# KiCad board Retro.kicad_pcb (continued)
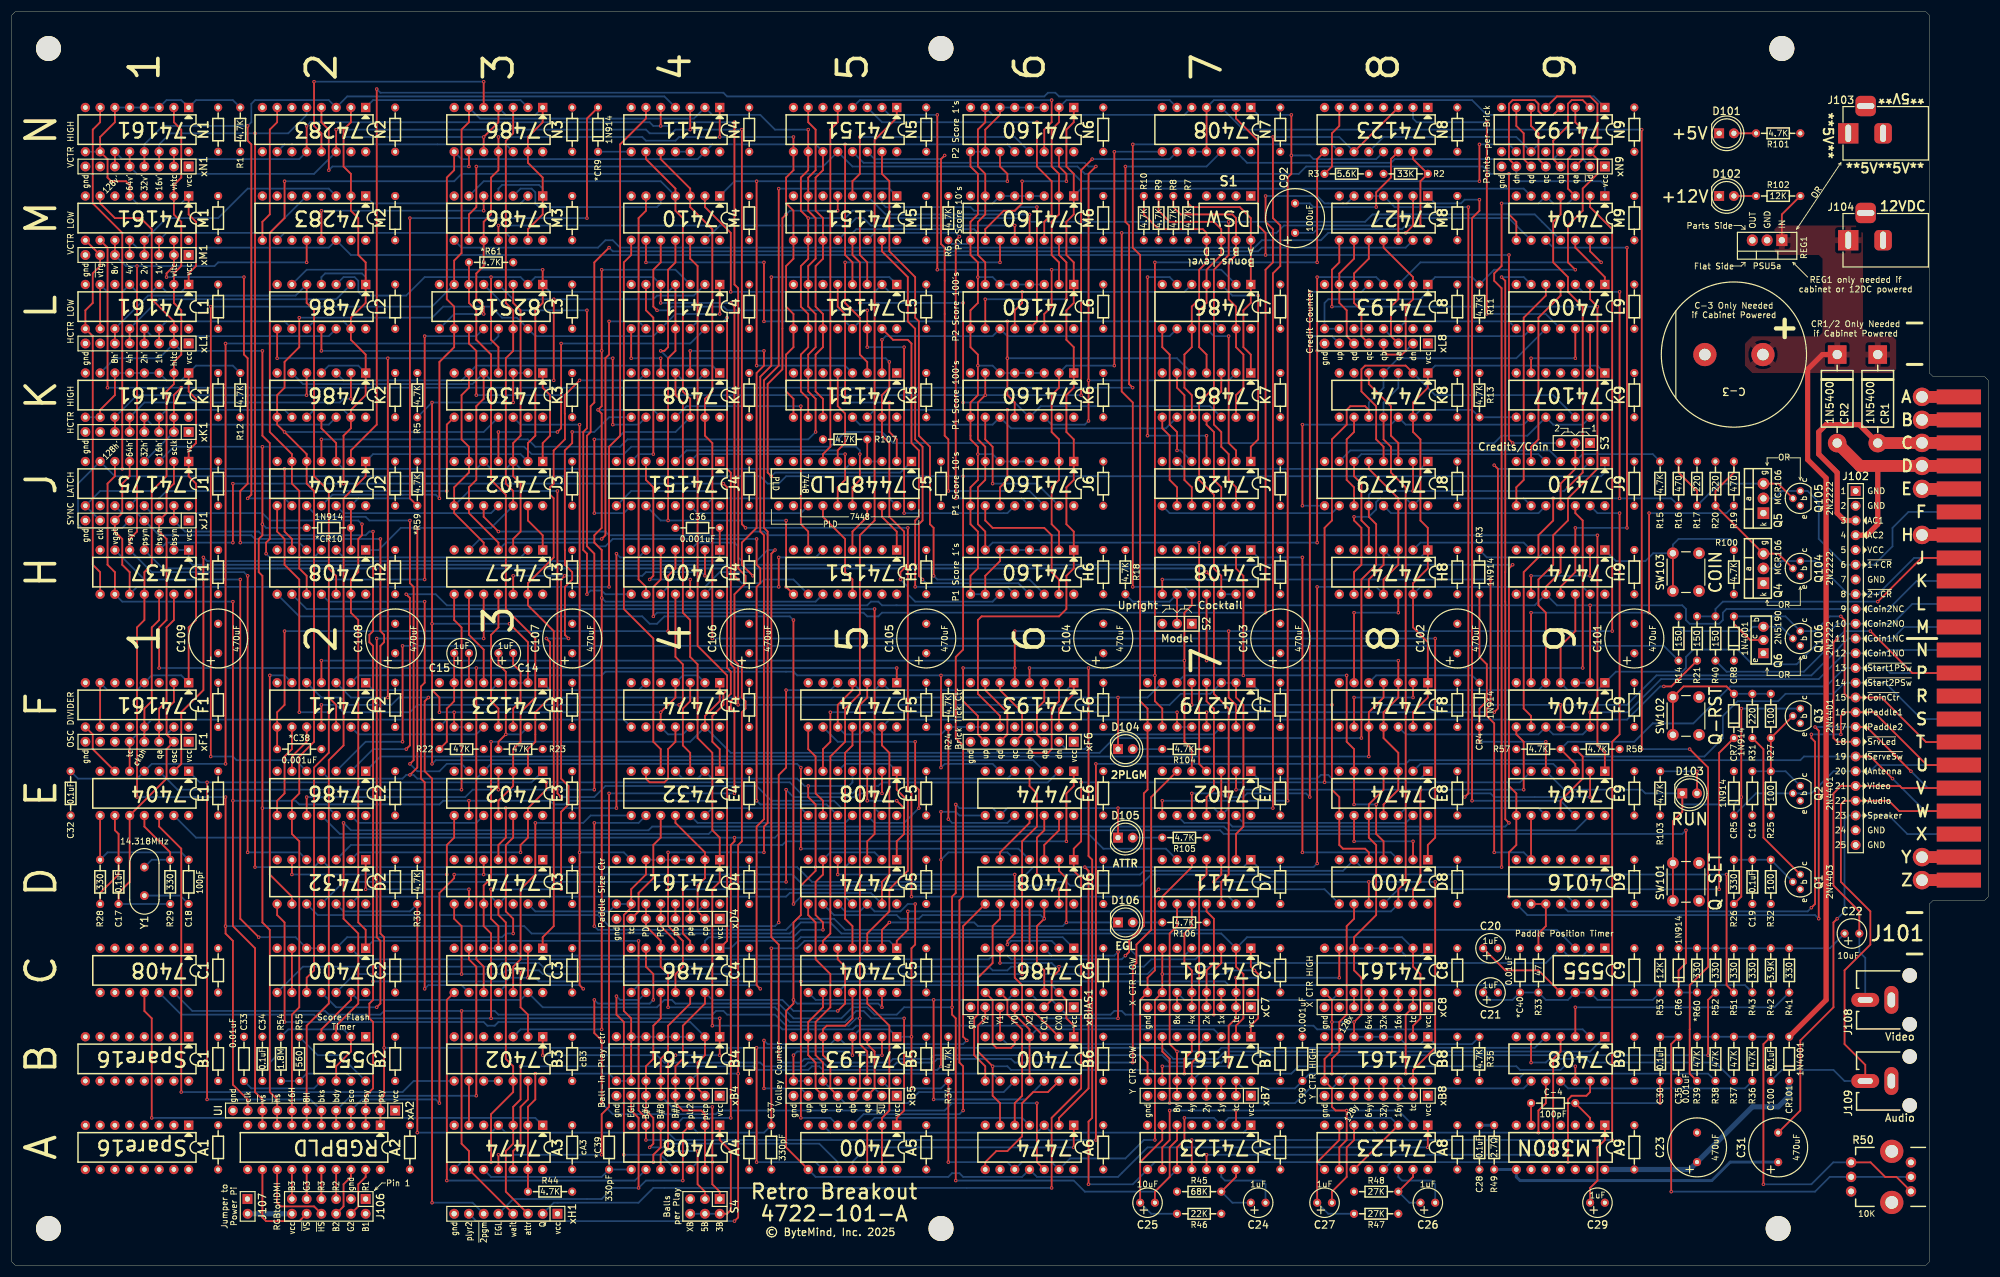
[diagram p0: board, top side]
## Routing (per net, layer and track width the routed paths; a pad name or vN(x,y) marks a point on that pad's centre or on a via; arc(x,y) is an arc through that point) (continued)
  Bottom w0.305: xL8.2 240.03,157.48 v1(224.79,157.48) ; L8.4 234.95,170.18 v1(224.79,170.18) ; v1(224.79,124.46) 209.55,124.46 H7.3
cc_qa: length 52.3
  Top w0.305: M9.13 271.78,174.62 v1(273.69,172.72) ; xL8.3 237.49,160.02 237.49,165.1 238.76,166.37 L8.3
  Bottom w0.305: L8.3 242.57,172.72 v1(273.69,172.72)
cc_qb: length 27.3
  Top w0.305: xL8.4 236.22,157.48 236.85,156.84 239.4,156.84 240.03,157.48 240.03,165.1 241.3,166.37 L8.2 241.3,170.18 236.22,175.26 M8.11
cc_qc: length 19.9
  Top w0.305: M8.10 233.68,173.35 231.14,170.81 L8.6 231.14,165.73 232.41,164.46 232.41,160.02 xL8.5
cc_qd: length 19.9
  Top w0.305: xL8.6 229.87,160.02 229.87,164.46 228.6,165.73 L8.7 228.6,170.81 231.14,173.35 M8.9
cc_up: length 128.2
  Top w0.305: v1(223.52,167.64) v1(223.52,160.02) v1(223.52,80.64) ; E7.10 v1(203.2,81.28)
  Bottom w0.305: v1(223.52,80.64) 222.88,81.28 212.72,81.28 212.09,80.64 208.91,80.64 208.28,81.28 v1(203.2,81.28) ; L8.5 232.41,167.64 v1(223.52,167.64) ; xL8.7 227.33,160.02 v1(223.52,160.02)
CKBH: length 190.6
  Top w0.305: H1.12 25.4,111.12 24.13,109.85 24.13,97.16 22.86,95.88 F1.13 xF1.4 ; v1(72.39,93.98) v1(72.39,86.36)
  Bottom w0.305: F1.13 24.13,93.98 v1(72.39,93.98) ; v1(72.39,86.36) 73.03,86.99 175.9,86.99 E6.3
CLOCK: length 453.2
  Top w0.305: B7.2 210.82,41.27 212.09,42.54 212.09,50.16 210.82,51.44 C7.2 ; C8.2 241.3,51.44 242.57,50.16 242.57,42.54 241.3,41.27 B8.2 ; v1(36.83,80.64) v1(36.83,58.42) 36.83,57.15 38.1,55.88 38.1,31.11 40.64,28.57 xA2.11 ; v1(21.59,80.64) 21.59,109.85 22.86,111.12 H1.11 22.86,119.38 24.13,120.65 v1(24.13,133.35) 26.67,135.89 26.67,150.5 27.94,151.76 K1.2 27.94,155.57 29.21,156.84 29.21,164.46 27.94,165.73 L1.2 27.94,170.81 29.21,172.08 29.21,179.7 27.94,180.97 M1.2 27.94,186.05 29.21,187.32 29.21,195.58 27.94,196.85 N1.2
  Bottom w0.305: v1(36.83,80.64) v1(21.59,80.64) ; C8.2 239.4,56.51 212.72,56.51 C7.2 208.28,57.15 142.88,57.15 140.97,59.05 135.89,59.05 133.99,57.15 89.53,57.15 88.27,58.42 v1(36.83,58.42) ; v1(24.13,133.35) 15.24,133.35 J1.9 xJ1.7
Coin1NC: length 299.8
  Top w0.305: F8.4 236.22,97.79 v1(234.95,96.52) 233.68,95.25 F8.10 v1(233.68,87.63) ; v1(266.7,96.52) F9.11
  Bottom w0.305: v1(233.68,87.63) 63.5,87.63 E2.1 ; J101.11 325.83,109.93 323.85,107.95 J102.11 316.23,107.95 309.88,101.6 283.21,101.6 278.13,96.52 v1(266.7,96.52) v1(234.95,96.52) ; F9.12 F9.11
Coin1NO: length 105.6
  Top w0.305: v1(271.78,95.25) F9.13
  Bottom w0.305: J101.12 323.14,105.97 322.58,105.41 J102.12 315.6,105.41 311.15,100.96 284,100.96 278.29,95.25 v1(271.78,95.25) ; F8.12 240.03,91.44 262.89,91.44 F9.10 265.43,91.44 270.51,91.44 F9.13
Coin2NC: length 339.3
  Top w0.305: v1(67.94,88.9) 68.58,89.53 68.58,114.93 v1(67.94,115.57) ; F9.2 v1(271.78,113.66) ; H9.10 264.16,116.84 266.7,119.38 H9.4
  Bottom w0.305: J101.9 328.01,117.86 323.18,113.03 J102.9 295.27,113.03 294.64,112.39 294.64,111.12 294,110.49 288.93,110.49 288.29,111.12 288.29,113.03 287.65,113.66 266.06,113.66 H9.10 262.25,113.66 149.86,113.66 149.22,114.3 147.96,114.3 147.32,113.66 74.93,113.66 73.03,115.57 v1(67.94,115.57) ; F9.3 F9.2 ; v1(67.94,88.9) 62.23,88.9 E2.2
Coin2NO: length 94.8
  Top w0.305: H9.12 269.24,109.22 266.7,106.68 F9.4
  Bottom w0.305: F9.4 267.97,99.06 273.05,99.06 F9.1 276.23,102.23 287.65,102.23 288.29,102.87 288.29,104.77 289.56,106.04 297.18,106.04 299.72,103.5 307.34,103.5 314.32,110.49 J102.10 323.85,110.49 327.25,113.89 J101.10
COUNT: length 115.6
  Top w0.305: N9.4 265.43,198.12 263.52,198.12 262.89,198.75 262.89,200.02 262.25,200.66 258.44,200.66 257.81,200.02 257.81,190.5 xN9.7 ; N7.11 N7.4
  Bottom w0.305: N9.4 265.43,198.12 254,198.12 251.46,200.66 207.01,200.66 N7.4 ; N7.10 N7.11 ; M9.1 274.32,186.05 273.69,186.69 259.71,186.69 259.08,187.32 xN9.7
COUNT_1: length 87.7
  Top w0.305: H6.2 180.34,126.36 179.07,127.63 179.07,133.98 180.34,135.25 J6.2 180.34,142.24 179.07,143.51 179.07,149.86 180.34,151.13 K6.2 ; v1(189.87,191.77) v1(189.87,154.94)
  Bottom w0.305: v1(189.87,154.94) 181.61,154.94 K6.2 ; N7.8 v1(189.87,191.77)
COUNT_2: length 54
  Top w0.305: N6.2 180.34,196.85 179.07,195.58 179.07,189.23 180.34,187.96 M6.2 180.34,180.97 179.07,179.7 179.07,173.99 180.34,172.72 L6.2
  Bottom w0.305: N6.2 181.61,200.66 199.39,200.66 N7.6
CX0: length 45.8
  Top w0.305: C7.3 208.28,52.07 207.01,50.8 v1(207.01,43.18)
  Bottom w0.305: v1(207.01,43.18) 191.77,43.18 191.13,43.81 189.87,43.81 189.23,43.18 181.61,43.18 xBIAS1.2 179.07,45.72 176.53,45.72 C6.11
CX1: length 47.7
  Top w0.305: v1(180.34,51.44) 180.34,50.8 179.07,49.53 179.07,45.72 xBIAS1.3 ; C6.6 v1(170.18,52.07)
  Bottom w0.305: v1(170.18,52.07) 179.07,52.07 179.71,51.44 v1(180.34,51.44) 194.94,51.44 196.22,52.7 203.84,52.7 C7.4
D1: length 120.5
  Top w0.305: v1(153.03,118.11) 153.03,119.38 153.67,120.01 153.67,126.36 151.13,128.9 151.13,141.6 149.86,142.88 K5.15 149.86,149.86 151.13,151.13 v1(151.13,155.57) ; v1(111.76,157.48) 112.39,157.48 113.03,158.12 113.03,171.45 114.3,172.72 M4.11
  Bottom w0.305: H6.11 168.91,114.3 155.57,114.3 154.31,115.57 154.31,116.84 v1(153.03,118.11) ; v1(151.13,155.57) 150.5,156.21 113.03,156.21 v1(111.76,157.48)
D2: length 105
  Top w0.305: v1(171.45,186.69) 171.45,187.96 170.18,189.23 N6.11 ; v1(128.27,154.94) v1(128.27,186.69)
  Bottom w0.305: K5.4 143.51,154.94 v1(128.27,154.94) ; v1(171.45,186.69) 124.46,186.69 M4.1
DN: length 78
  Top w0.305: C4.3 116.84,55.88 115.57,57.15 v1(115.57,64.77) ; v1(180.34,64.77) D6.13
  Bottom w0.305: v1(180.34,64.77) v1(115.57,64.77)
E1: length 90.3
  Top w0.305: v1(160.66,191.13) 160.02,190.5 160.02,175.89 160.66,175.26 160.66,142.88 161.29,142.24 v1(161.29,133.35)
  Bottom w0.305: v1(160.66,191.13) 160.02,190.5 148.59,190.5 N5.14 ; v1(161.29,133.35) 175.26,133.35 J6.14
E2: length 52.2
  Top w0.305: M6.14 177.8,179.7 179.07,180.97 179.07,186.69 176.53,189.23 v1(176.53,196.85)
  Bottom w0.305: N5.3 149.86,196.85 v1(176.53,196.85)
EGL: length 315.4
  Top w0.305: D8.12 238.76,64.77 240.03,66.04 240.03,133.98 237.49,136.52 237.49,140.97 236.22,142.24 K8.11 ; v1(154.31,60.96) 154.31,57.78 152.4,55.88 C5.1 ; v1(107.95,13.33) 107.95,25.4 106.68,26.67 xB4.7 ; C37.1 v1(130.81,54.61) ; A4.3 115.57,22.86 v1(115.57,14.6)
  Bottom w0.305: v1(154.31,60.96) 237.49,60.96 D8.12 ; xH1.5 86.36,11.43 101.6,11.43 103.5,13.33 v1(107.95,13.33) 109.22,14.6 v1(115.57,14.6) ; C5.1 151.13,55.88 136.53,55.88 135.25,54.61 v1(130.81,54.61) ; A4.3 118.11,22.86 129.54,22.86 C37.1 ; K8.3 238.76,151.13 236.22,148.59 K8.11
F1: length 75.2
  Top w0.305: v1(162.56,132.08) 162.56,176.53 v1(163.19,177.16)
  Bottom w0.305: v1(163.19,177.16) 162.56,177.8 148.59,177.8 M5.14 ; J6.13 173.99,132.08 v1(162.56,132.08)
F2: length 33.7
  Top w0.305: v1(175.26,180.97) M6.13
  Bottom w0.305: M5.3 150.5,180.97 v1(175.26,180.97)
FPD1: length 16.3
  Top w0.305: H3.9 78.74,108.58 81.28,106.04 F3.5
FPD2: length 23.9
  Top w0.305: F3.13 83.82,95.88 82.55,97.16 82.55,108.58 83.82,109.85 H3.11
FREE_GAME_TONE: length 249.2
  Top w0.305: v1(288.93,88.9) 292.1,85.72 292.1,51.42 288.94,48.26 288.94,40.66 288.93,40.64 288.93,33.02 R39.2 ; v1(280.67,88.9) v1(280.67,195.58)
  Bottom w0.305: N7.3 212.09,195.58 v1(280.67,195.58) ; v1(288.93,88.9) v1(280.67,88.9)
G1: length 110.4
  Top w0.305: M4.10 111.76,172.72 110.49,171.45 110.49,165.1 v1(111.12,164.46) ; v1(153.67,129.54) v1(153.67,158.12) ; v1(147.32,164.46) L5.14 v1(147.32,158.12)
  Bottom w0.305: v1(153.67,158.12) v1(147.32,158.12) ; v1(147.32,164.46) 123.19,164.46 122.56,165.1 113.67,165.1 113.03,164.46 v1(111.12,164.46) ; v1(153.67,129.54) 171.45,129.54 J6.12
G2: length 69.9
  Top w0.305: v1(146.05,180.34) 146.05,173.99 147.32,172.72 L5.3 ; M6.12 v1(172.72,179.07)
  Bottom w0.305: M4.13 121.92,179.07 144.15,179.07 145.41,180.34 v1(146.05,180.34) 146.69,180.34 147.96,179.07 v1(172.72,179.07)
H1: length 41.7
  Top w0.305: J6.11 170.18,133.98 171.45,135.25 v1(171.45,147.32)
  Bottom w0.305: K5.14 148.59,147.32 v1(171.45,147.32)
H2: length 51.1
  Top w0.305: K5.3 147.32,155.57 146.05,156.84 146.05,163.19 143.51,165.73 v1(143.51,172.72) ; v1(170.18,172.72) M6.11
  Bottom w0.305: v1(143.51,172.72) v1(170.18,172.72)
hl_tc: length 109.9
  Top w0.305: M1.7 15.24,182.88 17.78,180.34 22.23,180.34 24.13,178.44 24.13,166.37 27.94,162.56 L1.15 xL1.2 ; v1(43.18,157.48) 43.18,142.88 44.45,141.6 44.45,125.09 43.81,124.46 v1(43.81,122.55)
  Bottom w0.305: v1(43.18,157.48) 29.21,157.48 xL1.2 25.4,156.21 17.78,156.21 K1.7 ; v1(43.81,122.55) 44.45,121.92 52.07,121.92 H2.4
HSYNC: length 223.6
  Top w0.305: v1(152.4,102.87) F5.1 ; v1(80.01,102.87) 80.01,52.7 81.28,51.44 C3.10 ; v1(25.4,102.87) 25.4,109.85 26.67,111.12 26.67,125.09 25.4,126.36 xJ1.3 26.67,129.54 26.67,133.35 27.94,134.62 J1.2
  Bottom w0.305: v1(152.4,102.87) v1(25.4,102.87)
I1: length 121.6
  Top w0.305: v1(185.42,145.41) 185.42,187.96 v1(186.69,189.23)
  Bottom w0.305: N5.13 146.69,189.86 184.78,189.86 185.42,189.23 v1(186.69,189.23) ; v1(185.42,145.41) 184.78,144.78 179.07,144.78 K6.14 ; v1(185.42,152.4) 209.55,152.4 K7.2
I2: length 99.9
  Top w0.305: v1(179.07,171.45) 179.07,165.1 177.8,163.83 L6.14 ; v1(159.38,171.45) v1(159.38,198.12)
  Bottom w0.305: N5.2 151.13,198.12 v1(159.38,198.12) ; v1(159.38,171.45) 208.28,171.45 L7.2
J1: length 93.3
  Top w0.305: v1(146.05,165.73) 146.05,172.72 144.78,173.99 M5.13 ; v1(163.83,165.73) v1(163.83,148.59)
  Bottom w0.305: v1(163.83,148.59) 172.72,148.59 K6.13 177.16,147.95 206.38,147.95 K7.12 ; v1(146.05,165.73) v1(163.83,165.73)
J2: length 84.3
  Top w0.305: v1(176.53,182.25) 176.53,162.56 L6.13
  Bottom w0.305: v1(176.53,182.25) 173.35,182.25 172.72,181.61 165.74,181.61 165.1,182.25 150.5,182.25 149.86,182.88 M5.2 ; L7.12 207.01,162.56 176.53,162.56 L6.13
K1: length 127.1
  Top w0.305: v1(171.45,162.56) v1(171.45,156.21) 171.45,149.86 172.72,148.59 K6.12 ; v1(129.54,162.56) v1(129.54,172.72) ; v1(109.22,172.72) M4.9
  Bottom w0.305: v1(171.45,156.21) 200.66,156.21 K7.5 ; v1(171.45,162.56) 146.05,162.56 L5.13 143.51,162.56 v1(129.54,162.56) ; v1(129.54,172.72) v1(109.22,172.72)
K2: length 106.2
  Top w0.305: M4.2 119.38,182.25 123.83,177.8 v1(123.83,167.64) ; v1(173.99,167.64) 173.99,165.73 172.72,164.46 L6.12
  Bottom w0.305: L7.5 201.93,167.64 151.13,167.64 L5.2 148.59,167.64 v1(123.83,167.64)
L1: length 58.5
  Bottom w0.305: K5.13 146.05,144.78 168.91,144.78 K6.11 172.09,144.14 198.75,144.14 K7.9
L2: length 58.4
  Top w0.305: K5.2 v1(149.86,159.38)
  Bottom w0.305: L7.9 199.39,160.02 171.45,160.02 L6.11 168.91,160.02 150.5,160.02 v1(149.86,159.38)
osc: length 52
  Top w0.305: F1.2 27.94,97.04 26.67,95.77 26.67,91.44 xF1.2 26.67,88.9 26.67,83.82 E1.10 20.32,66.04 18.41,64.13 C17.2
  Bottom w0.305: C17.2 R29.1
osc_qa: length 26.5
  Top w0.305: xF1.3 F1.14 25.4,95.88 26.67,97.16 26.67,109.85 27.94,111.12 H1.13
osc_tc: length 13.8
  Top w0.305: E1.5 xF1.5
  Bottom w0.305: xF1.5 21.59,91.44 26.67,91.44 F1.15
P1: length 99.6
  Top w0.305: M1.1 30.48,180.97 31.75,179.7 31.75,172.08 30.48,170.81 L1.1 ; N1.6 17.78,196.85 15.24,194.31 N1.10 16.51,190.5 16.51,187.32 17.14,186.69 19.68,186.69 20.32,186.05 M1.5 ; L1.10 L1.7
  Bottom w0.305: R1.1 38.1,200.66 31.75,200.66 N1.1 29.21,200.66 26.67,200.66 N1.3 N1.4 N1.5 N1.6 ; L1.1 29.21,167.64 26.67,167.64 L1.3 24.13,167.64 21.59,167.64 L1.5 19.05,167.64 16.51,167.64 L1.7 ; M1.5 21.59,182.88 29.21,182.88 M1.1 ; N1.9 N1.10
P2COND: length 437.1
  Top w0.305: v1(38.1,124.46) v1(38.1,134.62) ; N3.10 v1(81.28,194.31) 83.82,196.85 N3.4 ; N3.1 91.44,196.85 88.9,194.31 N3.13 88.9,189.86 91.44,187.32 M3.1 91.44,180.97 88.9,178.44 M3.13 ; C4.1 123.19,55.88 123.19,97.79 123.83,98.42 123.83,102.23 123.19,102.87 123.19,133.98 v1(122.56,134.62) ; v1(57.15,134.62) 57.15,142.88 58.42,144.14 K2.13 58.42,147.32 60.96,149.86 K2.1 60.96,156.84 58.42,159.38 L2.13 58.42,163.19 60.96,165.73 L2.1 60.96,172.72 59.69,173.99 59.69,180.34 58.42,181.61 M2.2 58.42,187.96 57.15,189.23 57.15,195.58 58.42,196.85 N2.2
  Bottom w0.305: C6.1 180.97,56.51 135.89,56.51 135.25,55.88 125.09,55.88 123.83,54.61 C4.1 ; K2.13 57.15,147.32 52.07,147.32 K2.10 ; M3.1 91.44,185.43 90.81,186.05 84.45,186.05 83.82,185.42 M3.4 ; v1(122.56,134.62) v1(57.15,134.62) v1(38.1,134.62) ; K2.4 54.61,154.94 59.69,154.94 K2.1 ; N3.1 90.17,198.12 85.09,198.12 N3.4 ; L2.13 57.15,162.56 52.07,162.56 L2.10 ; L2.1 60.96,170.18 60.33,170.81 53.98,170.81 53.34,170.18 L2.4 ; v1(38.1,124.46) 26.67,124.46 H1.3 ; v1(57.15,194.31) v1(81.28,194.31)
P5: length 170.5
  Top w0.305: v1(85.72,110.49) 88.9,107.31 F3.2 ; F3.10 v1(76.2,95.25) ; v1(73.66,95.25) 73.66,97.79 72.39,99.06 v1(72.39,110.49) v1(72.39,148.59) ; v1(86.36,148.59) K3.3 ; F4.10 v1(111.76,95.25) 114.3,97.79 F4.4
  Bottom w0.305: F4.2 118.11,101.6 115.57,101.6 F4.4 ; K3.3 K3.2 ; F3.3 F3.2 ; F4.10 113.03,91.44 115.57,91.44 F4.12 ; v1(86.36,148.59) v1(72.39,148.59) R5.1 ; v1(73.66,95.25) v1(76.2,95.25) v1(111.76,95.25) ; v1(72.39,110.49) v1(85.72,110.49) ; F3.10 F3.11
P6: length 171.3
  Top w0.305: H6.10 167.64,118.74 170.18,121.28 H6.6 ; N6.10 167.64,195.58 170.18,198.12 N6.6 ; N6.9 165.1,189.23 166.37,187.96 v1(166.37,182.88) 166.37,180.97 165.1,179.7 M6.9 165.1,173.99 166.37,172.72 166.37,165.73 165.1,164.46 L6.9 165.1,158.12 166.37,156.84 166.37,149.86 165.1,148.59 K6.9 165.1,142.24 166.37,140.97 v1(166.37,139.7) 166.37,135.25 165.1,133.98 J6.9 165.1,127.63 166.37,126.36 166.37,120.01 165.1,118.74 H6.9
  Bottom w0.305: N6.6 N6.5 N6.4 N6.3 ; H6.6 H6.5 H6.4 H6.3 ; M6.3 M6.4 M6.5 M6.6 168.91,182.88 v1(166.37,182.88) ; N6.9 N6.10 ; J6.3 J6.4 J6.5 J6.6 168.91,139.7 v1(166.37,139.7) ; K6.3 K6.4 K6.5 K6.6 168.91,154.94 v1(166.37,154.94) ; v1(166.37,170.18) 168.91,170.18 L6.6 L6.5 L6.4 L6.3 ; M6.9 164.47,175.89 161.93,175.89 R6.1 ; H6.9 H6.10
P11: length 96.8
  Top w0.305: N9.5 266.06,201.29 271.78,201.29 273.05,200.02 273.05,193.04 N9.15 273.05,190.5 273.05,187.96 270.51,185.42 270.51,181.61 267.97,179.07 267.97,172.72 v1(269.24,171.45)
  Bottom w0.305: v1(269.24,171.45) 255.27,171.45 R11.1 251.46,170.18 245.11,170.18 L8.1 243.84,167.64 242.57,166.37 226.69,166.37 226.06,165.73 L8.9 L8.10
P12: length 115.3
  Top w0.305: F1.1 30.48,109.85 31.75,111.12 31.75,134.62 30.48,135.89 J1.1 30.48,140.33 31.75,141.6 31.75,149.22 30.48,150.5 K1.1 ; K1.6 17.78,149.86 15.24,147.32 K1.10 ; F1.10 F1.7
  Bottom w0.305: K1.10 K1.9 ; F1.7 16.51,99.06 21.59,99.06 F1.4 24.13,101.6 29.21,101.6 F1.1 ; R12.1 38.1,154.94 31.75,154.94 K1.1 29.21,152.4 26.67,152.4 K1.3 K1.4 K1.5 K1.6
P13: length 165.5
  Top w0.305: H8.10 233.68,118.11 236.22,120.65 H8.4 ; F8.13 241.3,95.25 243.84,97.79 F8.1 243.84,107.31 241.3,109.85 H8.13 241.3,117.47 243.84,120.01 H8.1 243.84,127 242.57,128.27 242.57,142.24 241.3,143.51 K8.13 241.3,148.59 243.84,151.13 K8.1
  Bottom w0.305: H8.13 242.57,116.84 270.51,116.84 H9.13 ; K8.1 245.11,154.94 273.05,154.94 K9.1 ; K8.13 242.57,147.32 251.46,147.32 R13.1 K9.8 ; H8.1 242.57,121.92 237.49,121.92 H8.4
P24: length 113.1
  Top w0.305: F5.4 144.78,99.06 142.24,96.52 F5.10 ; v1(161.29,76.83) R24.1 ; F6.1 182.88,98.42 180.34,95.88 F6.15
  Bottom w0.305: F5.4 146.05,99.06 148.59,99.06 F5.2 151.13,99.06 181.61,99.06 F6.1 ; v1(161.29,76.83) 161.93,76.2 171.45,76.2 E6.10 ; F5.10 143.51,91.44 146.05,91.44 F5.12 148.59,91.44 160.02,91.44 R24.1 F6.9 F6.10
P34: length 211.2
  Top w0.305: R34.1 v1(161.29,17.78) ; C7.7 v1(198.12,50.16) C7.10 196.85,45.72 v1(196.85,21.59) ; B5.9 v1(134.62,36.19) ; B7.1 213.36,41.27 214.63,42.54 214.63,50.16 v1(214,50.8) 213.36,51.44 C7.1 ; v1(155.57,62.23) 155.57,55.24 154.94,54.61 v1(154.94,39.37) v1(154.94,30.48) ; B5.4 v1(144.78,36.19)
  Bottom w0.305: v1(134.62,36.19) 135.25,36.83 144.15,36.83 v1(144.78,36.19) ; D5.10 143.51,60.96 146.05,60.96 D5.12 148.59,60.96 153.03,60.96 154.31,62.23 v1(155.57,62.23) ; B5.15 151.13,30.48 160.02,30.48 R34.1 ; B5.9 B5.10 ; v1(196.85,21.59) 194.94,21.59 191.77,18.41 182.25,18.41 A6.13 179.07,17.78 173.99,17.78 A6.10 171.45,17.78 v1(161.29,17.78) ; v1(214,50.8) 209.55,50.8 208.91,50.16 v1(198.12,50.16) ; B5.4 146.05,40.64 151.13,40.64 B5.1 v1(154.94,39.37)
P35: length 182.1
  Top w0.305: A8.10 228.6,20.32 229.87,21.59 v1(229.87,26.67) 227.97,26.67 227.33,27.3 227.33,30.48 B8.9 226.06,35.56 227.33,36.83 v1(227.33,41.91) 227.33,45.72 C8.9 ; E8.4 236.22,81.91 233.68,79.38 E8.10 233.68,73.66 234.95,72.39 234.95,60.32 231.14,56.51 C8.6 231.14,50.8 232.41,49.53 232.41,43.18 v1(231.14,41.91) B8.6 ; A7.10 198.12,20.32 199.39,21.59 v1(199.39,26.67) ; v1(210.82,26.67) A7.2
  Bottom w0.305: R35.1 251.46,38.1 245.11,38.1 B8.1 242.57,38.1 240.03,38.1 B8.3 B8.4 B8.5 B8.6 ; A8.2 238.76,26.67 v1(229.87,26.67) v1(210.82,26.67) v1(199.39,26.67) ; v1(231.14,41.91) v1(227.33,41.91) ; C8.1 242.57,53.34 240.03,53.34 C8.3 C8.4 C8.5 C8.6
P44: length 114.7
  Top w0.305: D4.6 109.22,67.31 106.68,64.77 D4.10 106.68,61.59 105.41,60.32 105.41,43.81 106.68,42.54 B4.7 B4.10 ; v1(90.17,33.02) 90.17,28.57 88.9,27.3 A3.2 A3.13 R44.1
  Bottom w0.305: B4.7 B4.6 B4.5 B4.4 B4.3 ; D4.10 D4.9 102.87,60.96 90.17,60.96 D3.13 ; D4.3 D4.4 D4.5 D4.6 ; B4.10 B4.9 102.87,33.02 v1(90.17,33.02)
pad_cp: length 20.9
  Top w0.305: xD4.2 118.11,60.96 118.11,65.41 119.38,66.67 D4.2 119.38,71.12 114.3,76.2 E4.11
pad_pa: length 2.5
  Top w0.305: D4.14 xD4.3
pad_pb: length 2.5
  Top w0.305: D4.13 xD4.4
pad_tc: length 33.6
  Top w0.305: xD4.7 107.95,60.96 107.95,64.13 110.49,66.67 110.49,72.39 111.76,73.66 E4.10
  Bottom w0.305: D4.15 118.11,60.96 107.95,60.96 xD4.7
Paddle1: length 106.9
  Top w0.305: v1(309.88,91.44) 309.88,90.8 310.51,90.17 310.51,62.23 v1(309.88,61.59) ; v1(314.96,91.44) 314.96,94.61 315.6,95.25 J102.16 320.68,95.25 329.77,86.16 J101.U
  Bottom w0.305: v1(309.88,61.59) 309.25,60.96 267.97,60.96 D9.11 ; v1(309.88,91.44) v1(314.96,91.44)
Paddle2: length 115.5
  Top w0.305: v1(311.15,59.69) 311.15,92.07 v1(310.51,92.71) ; v1(327.02,85.09) 319.4,92.71 J102.17
  Bottom w0.305: J102.17 v1(310.51,92.71) ; J101.18 329.92,82.19 v1(327.02,85.09) ; v1(311.15,59.69) 310.51,60.32 260.99,60.32 D9.8
PC: length 8.7
  Top w0.305: C4.4 114.3,55.88 111.76,58.42 xD4.5 D4.12
PD: length 81.3
  Top w0.305: v1(153.67,42.54) 153.67,26.67 152.4,25.4 A5.1 ; v1(113.03,44.45) 113.03,50.16 111.76,51.44 C4.5 111.76,55.88 109.22,58.42 xD4.6 D4.11
  Bottom w0.305: v1(113.03,44.45) 131.44,44.45 133.99,41.91 143.51,41.91 145.41,43.81 146.69,43.81 147.96,42.54 v1(153.67,42.54)
PLAY_CP: length 106
  Top w0.305: xB4.2 118.11,30.48 118.11,34.92 119.38,36.19 B4.2 ; D2.8 45.72,60.32 46.99,59.05 v1(46.99,41.91)
  Bottom w0.305: B4.2 116.84,41.91 83.82,41.91 83.19,41.27 81.92,41.27 81.28,41.91 v1(46.99,41.91)
PLAYER_2: length 603.8
  Top w0.305: v1(193.04,116.84) 193.04,148.59 191.13,150.5 v1(191.13,177.8) ; H7.10 203.2,113.66 201.93,112.39 201.93,90.17 203.2,88.9 E7.5 ; F2.4 v1(53.34,104.14) ; N6.7 167.64,196.85 166.37,195.58 166.37,189.23 167.64,187.96 M6.7 167.64,180.97 166.37,179.7 166.37,173.99 167.64,172.72 L6.7 ; v1(124.46,7.62) 125.09,8.25 v1(125.09,33.02) 125.09,72.39 125.73,73.02 125.73,95.25 126.36,95.88 126.36,97.16 125.73,97.79 v1(125.73,104.14) ; xB4.3 B4.14
  Bottom w0.305: xH1.7 80.01,7.62 v1(124.46,7.62) ; v1(125.09,33.02) 118.11,33.02 B4.14 ; v1(53.34,104.14) v1(201.93,104.14) ; v1(193.04,116.84) 201.93,116.84 H7.10 ; M9.9 257.81,180.34 235.59,180.34 234.31,179.07 219.07,179.07 217.81,177.8 v1(166.37,177.8) 165.74,178.44 145.41,178.44 144.78,177.8 143.51,177.8 M5.12 ; N6.7 168.91,198.12 201.93,198.12 N7.5
PSYNC: length 394.3
  Top w0.305: v1(128.27,17.78) v1(128.27,37.46) ; v1(63.5,125.09) 63.5,109.22 64.14,108.58 64.14,107.31 63.5,106.68 63.5,57.15 64.14,56.51 v1(64.14,37.46) 64.14,29.21 63.5,28.57 xA2.2 A2.1
  Bottom w0.305: B9.1 271.78,36.83 208.91,36.83 207.65,35.56 200.03,35.56 198.12,37.46 v1(64.14,37.46) ; v1(63.5,125.09) 41.91,125.09 41.27,125.73 25.4,125.73 xJ1.4 21.59,129.54 19.05,129.54 J1.11 ; v1(128.27,17.78) 138.43,17.78 A5.9
Q: length 351.8
  Top w0.305: v1(179.07,13.33) 179.07,25.4 184.15,30.48 184.15,66.67 182.88,67.94 D6.1 182.88,71.75 184.15,73.02 v1(184.15,83.19) ; K8.10 233.68,147.32 233.04,147.95 230.5,147.95 229.87,147.32 229.87,144.78 227.33,142.24 227.33,128.27 226.06,127 v1(226.06,83.19)
  Bottom w0.305: K8.10 233.68,148.59 236.22,151.13 K8.4 238.76,156.21 259.08,156.21 L9.10 ; v1(179.07,13.33) 110.49,13.33 107.95,10.79 93.34,10.79 xH1.2 ; v1(184.15,83.19) v1(226.06,83.19) 259.71,83.19 E9.6
RAM_PLAYER_1: length 282.5
  Top w0.305: E7.4 204.47,86.36 v1(204.47,124.46) ; v1(186.06,190.5) 184.15,188.59 v1(184.15,149.86) ; L3.11 78.74,158.75 80.01,157.48 v1(80.01,149.86) ; K6.7 v1(167.64,149.86) 166.37,148.59 166.37,142.24 167.64,140.97 J6.7 167.64,135.25 166.37,133.98 166.37,127.63 167.64,126.36 H6.7
  Bottom w0.305: v1(204.47,124.46) 168.91,124.46 H6.7 ; v1(186.06,190.5) 199.39,190.5 N7.9 ; v1(184.15,149.86) v1(167.64,149.86) v1(80.01,149.86)
SCLOCK: length 274
  Top w0.305: v1(193.02,151.15) 192.41,151.76 192.41,179.07 191.77,179.7 v1(191.77,189.23) ; v1(16.51,151.13) 16.51,175.26 M1.10 ; v1(29.21,151.15) 27.94,149.88 K1.15 xK1.2
  Bottom w0.305: J1.4 xK1.2 ; v1(16.51,151.13) 29.19,151.13 v1(29.21,151.15) 29.23,151.13 193,151.13 v1(193.02,151.15) 193.04,151.13 ; v1(191.77,189.23) 205.74,189.23 N7.12
SCORE: length 303.8
  Top w0.305: A2.3 xA2.4 ; v1(73.66,27.94) 73.66,64.13 76.2,66.67 v1(76.2,67.31) ; D3.5 v1(81.28,67.31) ; R51.2 295.27,48.26 v1(295.27,67.31)
  Bottom w0.305: v1(73.66,27.94) 73.03,28.57 60.33,28.57 xA2.4 ; v1(76.2,67.31) v1(81.28,67.31) 134.46,67.31 136.37,65.41 179.07,65.41 179.71,66.04 181.61,66.04 182.25,65.41 194.31,65.41 196.22,67.31 v1(295.27,67.31)
SERVE_WAIT: length 230.3
  Top w0.305: B5.14 147.32,36.83 146.05,38.1 146.05,96.52 147.32,97.79 F5.3 ; xH1.4 A3.9 78.74,19.69 77.47,20.95 v1(77.47,43.81)
  Bottom w0.305: C1.13 31.11,43.81 53.98,43.81 54.61,43.18 63.5,43.18 64.14,43.81 v1(77.47,43.81) 83.19,43.81 83.82,43.18 120.65,43.18 121.28,43.81 122.56,43.81 123.19,43.18 131.44,43.18 133.35,41.27 144.15,41.27 145.41,42.54 v1(146.05,42.54)
SET_BRICKS: length 25.4
  Top w0.305: D2.1 v1(60.96,64.77) ; v1(78.74,64.77) D3.9
  Bottom w0.305: v1(60.96,64.77) v1(78.74,64.77)
Speaker: length 80
  Top w0.305: C31.2 307.98,26.67 307.98,38.73 313.69,44.45 313.69,59.05 v1(314.32,59.69)
  Bottom w0.305: v1(314.32,59.69) 315.6,60.96 315.6,76.83 316.23,77.47 J102.23 323.21,77.47 326.42,74.27 J101.20
START_GAME: length 230.6
  Top w0.305: v1(256.54,68.58) 256.54,168.27 255.27,169.54 255.27,170.81 256.54,172.08 v1(256.54,182.88) ; N9.14 267.97,190.5 267.97,185.42 M9.3 ; v1(176.53,67.31) 176.53,73.66 177.8,74.93 E6.12
  Bottom w0.305: v1(256.54,182.88) 262.89,182.88 M9.5 265.43,182.88 267.97,182.88 M9.3 ; v1(176.53,67.31) 194.31,67.31 194.94,67.94 229.24,67.94 D8.6 232.41,68.58 v1(256.54,68.58)
tick_dn: length 264.3
  Top w0.305: v1(185.42,102.87) v1(185.42,89.53) 185.42,70.48 186.06,69.85 186.06,25.4 185.42,24.76 v1(185.42,13.97) ; F6.4 v1(175.26,102.87) ; v1(270.51,102.87) 270.51,128.27 269.24,129.54 J9.12
  Bottom w0.305: v1(270.51,102.87) v1(175.26,102.87) ; v1(185.42,89.53) 184.78,88.9 181.61,88.9 xF6.2 ; v1(185.42,13.97) 193.04,13.97 A7.9 196.85,17.78 224.79,17.78 A8.9
tick_qa: length 11.2
  Top w0.305: xF6.3 176.53,91.44 176.53,95.88 177.8,97.16 F6.3
tick_qb: length 17.6
  Top w0.305: F6.2 180.34,97.16 179.07,95.88 179.07,88.9 178.44,88.26 175.9,88.26 175.26,88.9 xF6.4
tick_qc: length 12.3
  Top w0.305: xF6.5 173.99,91.44 173.99,95.25 170.18,99.06 F6.6
tick_qd: length 12.3
  Top w0.305: F6.7 167.64,99.06 171.45,95.25 171.45,91.44 xF6.6
tick_up: length 228.5
  Top w0.305: v1(172.72,109.22) v1(172.72,102.87) F6.5 ; M9.2 271.78,182.25 275.59,178.44 v1(275.59,109.22) ; xF6.7 166.37,91.44 166.37,94.61 163.83,97.16 v1(163.83,102.87) ; v1(209.55,109.22) 209.55,97.79 210.82,96.52 F7.15
  Bottom w0.305: v1(172.72,102.87) v1(163.83,102.87) ; v1(172.72,109.22) v1(275.59,109.22)
TOP_BOUND: length 116.6
  Top w0.305: C3.1 91.44,56.51 93.34,58.42 93.34,109.22 88.9,113.66 H3.13 88.9,117.47 93.33,121.9 93.33,132.1 92.71,132.71 92.71,134 93.33,134.62 93.33,140.32 95.27,142.26 95.27,146.67 95.25,146.69 95.25,149.86 v1(97.79,152.4)
  Bottom w0.305: K4.6 107.95,152.4 v1(97.79,152.4)
V_AMP: length 39.6
  Bottom w0.889: A9.14 cA9.1 288.93,16.51 C23.1 299.72,27.3 304.17,27.3 306.07,29.21 CR101.1
vgate: length 193.2
  Top w0.305: N4.6 109.22,197.48 104.78,193.04 104.78,142.88 102.87,140.97 v1(102.87,116.84) ; H1.10 20.32,119.38 19.05,120.65 19.05,125.09 17.78,126.36 xJ1.6 19.05,129.54 19.05,134.62 20.32,135.89 J1.5
  Bottom w0.305: v1(102.87,116.84) 21.59,116.84 H1.10
vh_tc: length 2.5
  Top w0.305: N1.15 xN1.2
Video: length 60.1
  Top w0.305: C22.2 318.13,60.96 313.69,65.41 313.69,81.28 314.96,82.55 J102.21 325.12,82.55 325.48,82.19 J101.V
  Bottom w0.305: C22.2 318.13,53.97 319.16,52.95 J108.2
vl_tc: length 78.7
  Top w0.305: v1(26.67,170.18) 26.67,170.81 27.94,172.08 xM1.2 M1.15 ; v1(39.37,124.46) 39.37,133.35 40.64,134.62 40.64,156.21 40.01,156.84 v1(40.01,170.18)
  Bottom w0.305: v1(26.67,170.18) v1(40.01,170.18) ; v1(39.37,124.46) 49.53,124.46 H2.5
vol_ctr_qa: length 11.2
  Top w0.305: B5.3 147.32,38.1 148.59,36.83 148.59,30.48 xB5.3
